# KiCad board cyclic.kicad_pcb (continued)
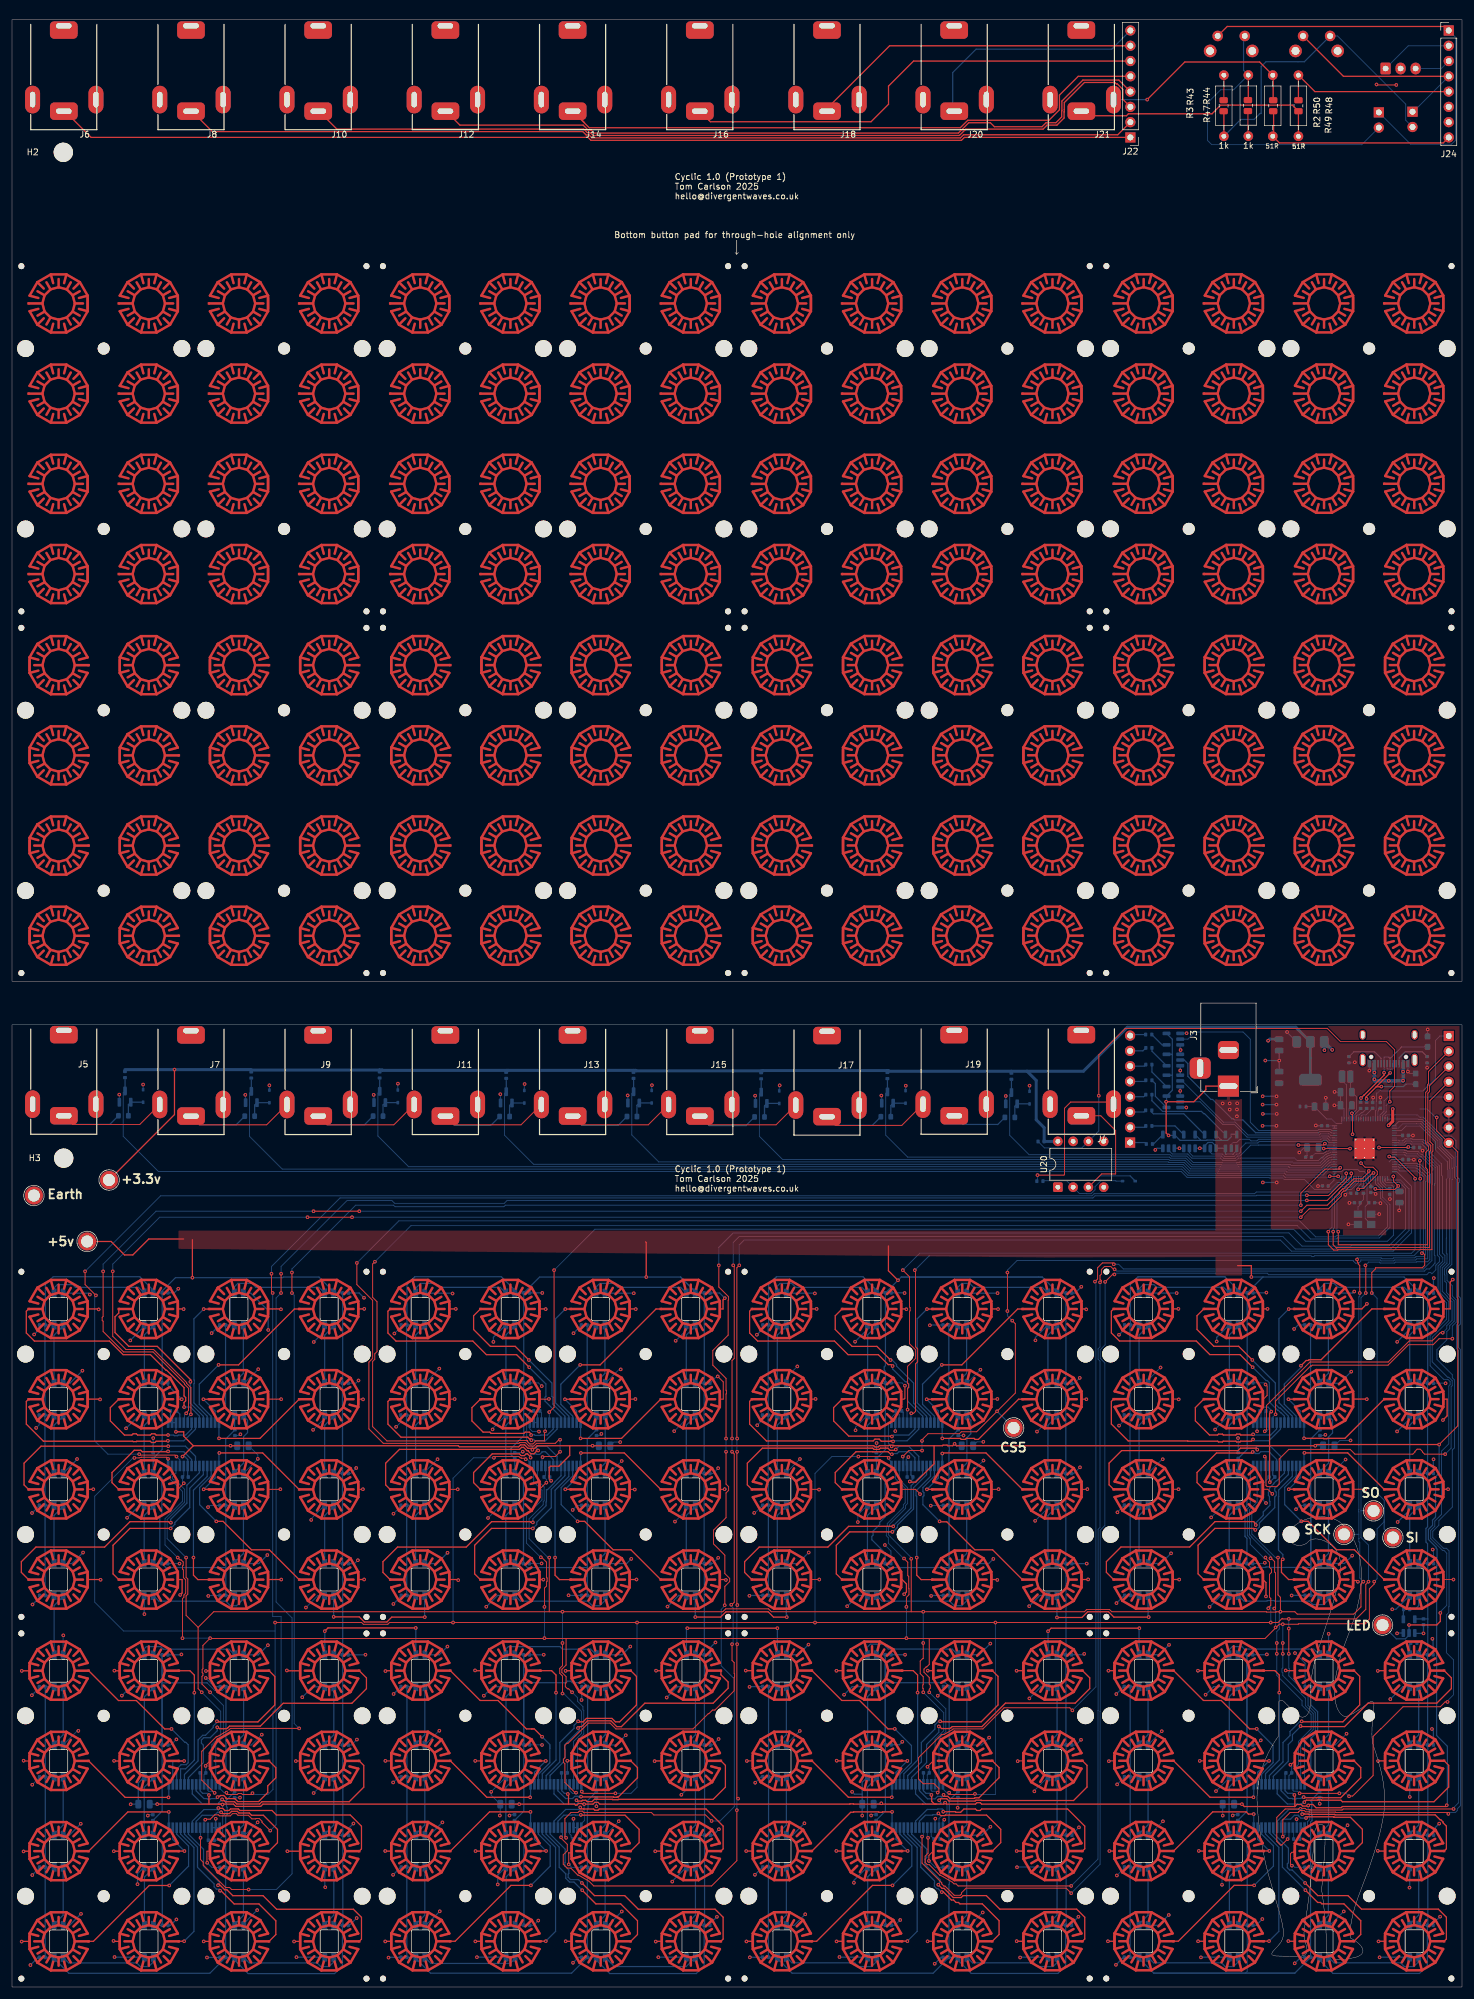
[diagram p0: board, top side]
## Routing (per net, layer and track width the routed paths; a pad name or vN(x,y) marks a point on that pad's centre or on a via; arc(x,y) is an arc through that point) (continued)
  Bottom w0.2: TP4.1 228.22,76.17 228.22,77.7
/GPIO20: length 267.6
  Top w0.15: v1(120.55,29.4) 120.55,21 116.35,16.8 96.75,16.8 95.96,17.59 94.24,18.59 94.12,18.59 92.94,19.76 92.33,19.76 91.68,20.42 91.68,21.98 92.35,22.65 92.35,23.72 91.31,24.76 v1(91.31,24.89) ; v1(120.75,31.32) 120.64,31.32 120.55,31.4 120.55,56.95 v1(120.6,57) ; v1(120.6,91.2) 120.55,91.25 120.55,119.6 v1(120.95,120) ; v1(120.6,89) 120.55,88.95 120.55,63.59 v1(120.63,63.51)
  Bottom w0.15: v1(120.75,31.32) 120.69,31.32 120.55,31.17 v1(120.55,29.4) ; v1(91.31,24.89) 91.31,24.9 91.45,24.9 91.55,25 91.55,26.38 ; v1(120.63,63.51) 120.63,63.49 120.55,63.41 120.55,57.05 v1(120.6,57) ; v1(120.6,89) 120.55,89.05 120.55,91.15 v1(120.6,91.2) ; v1(120.95,120) 120.95,123.4 121.75,124.2 210.95,124.2 212.8,122.35 229.7,122.35 232.75,125.4 232.75,133.15 230.3,135.6 U2.20
/GPIO21: length 245.9
  Top w0.15: v1(119.75,89) 120.12,88.63 120.12,63.97 119.72,63.57 v1(119.61,63.57) ; v1(119.75,91.2) 119.75,104.16 120.12,104.53 120.12,119.83 v1(119.95,120) ; v1(93.81,32.31) 93.76,32.36 93.59,32.36 91.95,34 91.95,37.13 91.72,37.35 91.72,37.87 91.95,38.09 91.95,40.18 92.29,40.52 92.47,40.52 94.86,42.91 94.89,42.91 95.86,43.88 99.46,43.88 100.43,42.91 113.26,42.91 115.8,45.45 115.9,45.45 116.5,46.05 116.9,46.05 120.1,49.25 120.1,51.47 120.17,51.54 120.17,52.06 120.1,52.13 120.1,53.95 119.75,54.3 v1(119.75,57)
  Bottom w0.15: v1(119.75,91.2) v1(119.75,89) ; v1(119.75,57) 119.93,57.18 119.93,63.02 119.57,63.38 119.57,63.52 v1(119.61,63.57) ; v1(93.81,32.31) 93.74,32.31 93.63,32.2 93.21,32.2 92.73,32.67 U5.11 ; v1(119.95,120) 119.95,123.8 120.95,124.8 211.35,124.8 213.44,122.71 229.26,122.71 232.35,125.8 232.35,132.69 231.53,133.51 231.53,133.61 230.91,134.22 230.86,134.17 229.03,134.17 U2.21
/GPIO22: length 263.4
  Top w0.15: v1(118.53,63.48) 118.55,63.5 118.55,66.62 119.35,67.42 119.35,67.94 118.55,68.74 118.55,71.8 116.66,73.69 116.66,75.95 118.75,78.04 118.75,82.15 119.19,82.59 119.19,83.19 118.75,83.62 v1(118.75,89) ; v1(117.55,120) 117.55,116.4 119.17,114.77 119.17,114.28 119.1,114.21 119.1,108.4 116.55,105.84 116.55,103.4 118.75,101.2 118.75,99.22 118.81,99.16 118.81,98.66 118.75,98.6 v1(118.75,91.2) ; v1(116.35,27.6) 115.35,28.6 106.75,28.6 106.35,29 95.1,29 94.86,29.24 94.35,29.24 94.11,29 92.95,29 91.95,28 91.95,25 v1(92.15,24.8)
  Bottom w0.15: v1(117.55,120) 117.55,123 119.95,125.4 212.35,125.4 214.55,123.2 222.65,123.2 222.71,123.26 229.01,123.26 231.75,126 231.75,132.78 231.17,133.36 231.17,133.46 230.82,133.82 230.51,133.82 230.46,133.77 228.56,133.77 228.37,133.96 228.37,134.03 228.35,134.05 U2.22 ; v1(118.75,91.2) v1(118.75,89) ; v1(116.35,27.6) 117.75,27.6 120.13,29.98 120.13,51.22 117.95,53.4 117.95,62.8 118.53,63.38 v1(118.53,63.48) ; U5.19 92.09,24.87 v1(92.15,24.8)
/GPIO23: length 180.1
  Top w0.15: v1(90.15,119.2) 90.15,96.4 v1(89.35,95.6)
  Bottom w0.15: U10.20 89.35,95.6 v1(89.35,95.6) ; v1(90.15,119.2) 96.95,126 213.15,126 215.15,124 228.75,124 229.75,125 229.75,133.07 229.5,133.32 228.51,133.32 228.02,133.82 228.02,133.93 227.95,133.99 U2.23
/GPIO24: length 243.5
  Top w0.15: v1(60.35,120.6) 59.98,120.23 59.98,114.67 60.7,113.95 60.7,105.65 60.33,105.28 60.33,104.38 59.98,104.03 59.98,93.17 62.35,90.8 84.21,90.8 84.28,90.87 85.75,90.87 85.75,90.81 85.75,90.81 85.75,90.73 85.75,90.73 85.75,90.67 86.12,90.3 86.64,90.3 87,90.67 87,90.8 88.55,90.8 88.55,92.3 v1(88.65,92.4)
  Bottom w0.15: U10.19 88.71,92.45 v1(88.65,92.4) ; v1(60.35,120.6) 66.35,126.6 213.75,126.6 215.96,124.39 220.24,124.39 220.4,124.55 227.4,124.55 229.15,126.3 229.15,130.12 227.93,131.34 227.93,132.9 227.15,133.68 U2.25
/GPIO25: length 254.2
  Top w0.15: v1(88.24,88.11) 88.24,88.18 88.26,88.2 90.35,88.2 v1(91.15,89) ; v1(91.15,91) 90.95,91 90.35,90.4 87.24,90.4 86.78,89.95 85.97,89.95 85.4,90.52 84.43,90.52 84.31,90.4 61.75,90.4 59.35,92.8 59.35,103.9 59.98,104.53 59.98,114.17 57.35,116.8 v1(57.35,120.4)
  Bottom w0.15: v1(91.15,91) v1(91.15,89) ; U2.26 226.75,133.58 227.58,132.76 227.58,131.19 228.75,130.02 228.75,126.4 227.26,124.91 220.26,124.91 220.09,124.74 216.81,124.74 214.15,127.4 64.35,127.4 v1(57.35,120.4) ; 88.15,86.74 88.15,88.09 88.17,88.11 v1(88.24,88.11)
/GPIO26: length 251.9
  Top w0.15: v1(56.55,128) v1(49.15,128) ; v1(214.35,128) 215.75,129.4 218.95,129.4 221.08,131.53 221.08,131.99 221.45,132.36 221.69,132.36 223.34,134 224.95,134 226.31,135.36 v1(226.44,135.36) ; v1(29.75,95.22) 29.75,99.67 29.05,100.37 29.05,100.5 23.55,106 18.95,106 16.75,108.2 v1(16.75,119)
  Bottom w0.15: v1(226.44,135.36) 226.35,135.27 U2.27 ; v1(16.75,119) 16.75,120.2 24.55,128 v1(49.15,128) ; v1(29.75,95.22) 29.22,94.68 U11.20 ; v1(214.35,128) v1(56.55,128)
/GPIO27: length 253.9
  Top w0.15: v1(15.15,119) 15.15,111.5 15,111.35 15,110.85 15.15,110.7 15.15,109 18.55,105.6 23.45,105.6 28.69,100.36 28.69,100.22 29.35,99.57 29.35,95.87 28.96,95.49 v1(28.96,95.39) ; v1(57.75,129) v1(50.15,129) ; v1(225.66,135.69) 225.51,135.55 225.51,135.36 224.55,134.4 223.15,134.4 221.46,132.71 221.3,132.71 220.73,132.14 220.73,131.98 218.75,130 215.35,130 v1(214.35,129)
  Bottom w0.15: v1(57.75,129) v1(214.35,129) ; v1(28.96,95.39) 28.69,95.11 28.69,93.96 ; v1(50.15,129) 23.95,129 15.15,120.2 v1(15.15,119) ; v1(225.66,135.69) 225.66,135.31 225.95,135.02 U2.28
/GPIO28: length 312.3
  Top w0.15: v1(31.35,24.8) 31.35,21.19 31.8,20.74 31.8,20.27 35.52,16.55 36.18,16.55 36.53,16.2 v1(39.35,16.2) ; v1(222.75,135.3) 222.75,134.8 218.75,130.8 v1(215.35,130.8) ; v1(44.75,118.6) v1(44.75,115.4)
  Bottom w0.15: v1(31.35,24.8) 31.35,26.42 ; v1(215.35,130.8) 82.35,130.8 81.86,130.31 63.64,130.31 63.15,130.8 55.75,130.8 44.75,119.8 v1(44.75,118.6) ; v1(39.35,16.2) 43.95,16.2 46.57,18.82 46.57,61.38 43.92,64.03 43.92,114.57 v1(44.75,115.4) ; v1(222.75,135.3) U2.36
/GPIO29: length 262.4
  Top w0.15: v1(12.15,119) 12.15,116.8 v1(13.95,115) ; v1(21.15,88.6) 21.31,88.44 27.11,88.44 v1(27.35,88.2)
  Bottom w0.15: v1(13.95,115) 13.75,114.8 13.75,90.8 15.95,88.6 v1(21.15,88.6) ; v1(12.15,119) 24.71,131.56 179.61,131.56 179.97,131.92 206.67,131.92 206.95,132.2 215.02,132.2 215.09,132.28 215.61,132.28 215.68,132.2 219.32,132.2 220.54,133.42 221.48,133.42 221.84,133.77 222.14,133.77 222.35,133.98 U2.37 ; v1(27.35,88.2) 27.91,87.63 U11.11
/GPIO30: length 296.7
  Top w0.15: v1(215.35,131.65) 215.4,131.6 218.95,131.6 221.9,134.55 v1(221.9,135.3) ; v1(32.14,27.82) 32.22,27.9 32.96,27.9 33.69,28.62 34.32,28.62 34.5,28.45 36.3,28.45 36.67,28.82 37.31,28.82 37.58,28.55 39.3,28.55 39.9,27.95 40.54,27.95 40.59,28 41.13,28 41.58,27.56 41.58,27.38 v1(42.95,26) ; v1(43.35,115.4) 43.15,115.6 v1(43.15,118.6)
  Bottom w0.15: v1(43.15,118.6) 43.15,119.8 54.56,131.21 179.76,131.21 180.12,131.56 206.91,131.56 207,131.65 v1(215.35,131.65) ; U2.38 221.95,135.25 v1(221.9,135.3) ; U4.19 31.93,27.61 v1(32.14,27.82) ; v1(43.35,115.4) 43.35,61.6 44.75,61.6 44.75,46.47 43.92,45.64 43.92,26.97 v1(42.95,26)
/GPIO33: length 288.3
  Top w0.15: v1(47.75,43) 36.33,43 36.1,42.77 34.08,41.6 33.96,41.6 31.55,39.19 31.55,34.4 33.67,32.28 v1(33.7,32.28) ; v1(46.55,118.8) v1(46.55,115.4) ; v1(214.35,130) 214.35,132 218.35,136 220.72,136 220.84,136.12 220.84,136.18 v1(220.9,136.23)
  Bottom w0.15: v1(47.75,43) 46.93,43.82 46.93,115.02 v1(46.55,115.4) ; v1(220.9,136.23) 220.67,136 U2.42 ; U4.11 32.58,32.66 32.71,32.53 33.42,32.53 33.67,32.28 v1(33.7,32.28) ; v1(214.35,130) 82.05,130 81.8,129.75 63.7,129.75 63.45,130 57.15,130 46.55,119.4 v1(46.55,118.8)
/LED_DIN_5V: length 1.7
  Bottom w0.2: U3.4 231.4,62.76 R9.2
/MIDI_OUT_BOT: length 30.3
  Top w0.2: R48.1 R49.2 216.68,315.18 J24.5
/QSPI_SS: length 24.1
  Bottom w0.15: J25.1 237.49,158.14 236.75,157.4 236.75,151.1 234.63,148.98 227.75,148.98 227.6,149.13 227.12,148.65 226.95,148.65 226.95,147.39 226.89,147.33 226.89,145.8 226.75,145.66 U2.75
/QSPI_SS_BOT: length 72.4
  Top w0.2: 238.28,326.01 202.11,326.01 SW2.2
  Bottom w0.15: J24.1 240.08,324.21 240.08,307.09 239.42,306.43 232.61,306.43 J27.1
/RUN: length 61
  Top w0.15: J25.4 235.83,147.4 235.83,140.58 236.31,140.09 236.31,138.99 236.15,138.83 236.15,122.6 234.9,122.6 234.85,122.65 234.33,122.65 234.28,122.6 220.55,122.6 220.49,122.54 219.81,122.54 218.92,123.43 v1(218.92,125.6)
  Bottom w0.15: v1(218.92,125.6) 219.1,125.42 219.1,125.93 219.55,126.38 219.55,131.6 220.49,132.54 220.49,132.55 221,133.06 221.63,133.06 221.97,133.4 222.57,133.4 223.15,133.98 U2.35
/RUN_BOT: length 35.5
  Top w0.2: SW1.2 221.44,317.72 J24.4
  Bottom w0.15: J24.4 233.06,311.83 J26.1
/SWCLK: length 62.6
  Top w0.15: J25.2 235.58,152.23 235.58,150.18 235.4,150.01 235.4,149.05 235.12,148.77 235.12,140.29 235.61,139.8 235.61,139.28 235.12,138.8 235.12,136.23 235.4,135.95 235.4,123.43 220.58,123.43 v1(220.58,125.6)
  Bottom w0.15: 220.35,125.8 220.38,125.8 v1(220.58,125.6) 220.35,125.83 220.35,131.2 221.51,132.36 221.92,132.36 222.16,132.6 222.77,132.6 223.95,133.78 U2.33
/SWCLK_BOT: length 12.1
  Bottom w0.15: J24.2 232.22,322.8 J2.1
/SWD: length 61.4
  Top w0.15: J25.3 235.75,149.86 235.75,148.9 235.47,148.62 235.47,140.44 235.96,139.95 235.96,139.14 235.75,138.93 235.75,122.95 235.05,122.95 235,123 234.19,123 234.14,122.95 220.4,122.95 220.34,122.89 220.26,122.89 219.72,123.42 v1(219.72,125.6)
  Bottom w0.15: v1(219.72,125.6) 219.72,126.06 219.95,126.28 219.95,131.4 221.26,132.71 221.78,132.71 222.07,133 222.67,133 223.55,133.88 U2.34
/SWD_BOT: length 6
  Bottom w0.15: J24.3 237.71,319.02 J2.3
/USB_D+: length 16.7
  Top w0.2: v1(227.74,149.72) 227.71,149.69 226.89,149.69 ; v1(225.29,147.68) 225.17,147.79 225.17,147.97 226.89,149.69 ; 226.89,149.69 v1(229.2,152)
  Bottom w0.15: 229.18,152.63 229.63,152.63 229.7,152.7 J1.B6 ; 229.18,152.63 228.77,152.63 228.7,152.7 J1.A6 ; 229.18,152.63 229.18,152.02 v1(229.2,152)
  Bottom w0.2: v1(227.74,149.72) 231.4,149.72 231.82,150.13 D1.2 ; R7.1 225.29,147.12 v1(225.29,147.68)
/USB_D-: length 18.1
  Top w0.2: v1(228.19,152.03) 228.19,151.63 224.86,148.29 224.83,148.29 v1(224.35,147.81)
  Bottom w0.2: 229.2,154.41 J1.A7 ; 229.2,154.41 231.11,156.32 D2.2 ; 229.2,154.41 228.99,154.62 228.2,154.62 J1.B7 228.2,152.04 v1(228.19,152.03) ; v1(224.35,147.81) 224.35,147.16 R8.1
/VREG_AVDD: length 7.8
  Bottom w0.15: U2.61 221.15,143.6 220.2,143.6 219.45,144.35 218.65,144.35 C7.1 R5.2
/VREG_LX: length 6.7
  Bottom w0.15: 221.2,150.74 221.95,149.99 U2.63
/XIN: length 8.5
  Bottom w0.15: Y1.1 225.07,127.78 225.07,129.8 C2.1 225.35,130.72 225.35,133.6 225.15,133.8 U2.30
/XOUT: length 1.4
  Bottom w0.15: U2.31 R6.1
Earth: length 1113.9
  Top w0.15: SW7.11 225.04,82.76 v1(225.06,82.78) ; SW7.1 239.72,67.76 v1(239.73,67.75) ; SW8.7 134.25,67.75 v1(134.26,67.76) ; SW6.11 197.55,37.6 v1(197.54,37.59) ; v1(167.26,37.55) 167.3,37.59 SW5.15 ; v1(77.04,37.6) 77.05,37.59 SW4.11 ; SW8.15 134.18,82.75 v1(134.22,82.71) ; 208.13,97.76 208.74,98.37 208.74,99.93 v1(208.48,100.19) ; SW8.11 164.05,82.75 v1(164.08,82.78) ; v1(92.59,20.39) 92.59,22.27 92.55,22.31 93.07,22.31 ; v1(194.04,97.71) 193.99,97.76 SW7.23 ; SW9.9 118.5,82.75 v1(118.53,82.78) ; SW3.13 32.2,36.86 v1(32.2,36.76) ; SW9.19 103.67,97.75 v1(103.68,97.76) ; SW5.13 152.26,36.65 v1(152.26,36.61) ; SW4.9 62.11,37.59 v1(62.1,37.6) ; v1(209.61,82) 208.85,82.76 SW7.13 ; v1(151.01,81.95) 151.01,82.02 150.28,82.75 SW8.13 ; SW10.17 58.34,97.75 v1(58.38,97.71) ; v1(178.85,82.78) 178.82,82.75 SW8.9 ; v1(58.36,82.77) 58.34,82.75 SW10.9 ; SW8.17 178.66,97.75 v1(178.68,97.73) ; SW6.21 213.16,22.6 213.16,22.4 212.86,22.4 212.62,22.16 212.62,20.41 v1(212.86,20.17) ; v1(1.93,37.63) 1.98,37.58 SW3.9 ; SW8.21 148.35,97.75 148.5,97.9 v1(148.5,99.99) ; v1(230.22,316.28) 227.02,316.28 ; v1(44.63,82.77) 44.61,82.75 SW10.11 ; SW10.19 44.75,97.75 v1(44.76,97.74) ; SW6.9 182.47,37.6 v1(182.42,37.55) ; v1(73.62,97.76) 73.61,97.75 SW9.23 ; SW8.23 133.61,97.75 v1(133.64,97.78) ; SW9.15 v1(74.13,82.75) ; v1(194.01,82.77) 194,82.76 SW7.15 ; SW3.21 32.42,22.58 32.42,20.69 v1(32.46,20.65) ; R2.2 205.55,307.84 ; v1(103.58,82.72) 103.55,82.75 SW9.11 ; SW8.19 163.85,97.75 v1(163.88,97.78) ; v1(92.35,37.61) 93.05,37.61 ; SW6.13 212.72,36.96 v1(212.61,36.96) ; SW9.13 88.83,83.86 v1(88.87,83.86) ; SW5.9 122.22,37.59 v1(122.21,37.58) ; R43.2 201.55,313.78 ; v1(117.37,101.53) 118.29,100.61 118.29,97.75 SW9.17 ; SW10.13 28.57,83.74 v1(28.57,83.76) ; 230.34,316.41 230.26,316.49 ; v1(89.29,97.78) 89.26,97.75 SW9.21 ; SW3.15 47.22,37.58 v1(47.2,37.56) ; v1(152.49,20.96) 152.49,21.88 SW5.21
  Top w0.2: v1(77.09,22.6) 77.1,22.59 SW4.19 ; SW10.25 58.57,112.75 v1(58.58,112.76) ; v1(225.32,97.74) 225.3,97.76 SW7.19 ; 238.05,97.75 238.68,97.75 238.68,94.97 v1(237.98,94.27) ; SW10.29 28.51,112.75 v1(28.54,112.72) ; v1(14.64,97.7) 14.59,97.75 SW10.23 ; SW3.11 16.99,37.58 v1(16.97,37.6) ; v1(163.99,112.72) 163.96,112.75 SW8.27 ; SW6.27 197.26,7.6 v1(197.26,7.6) ; SW5.17 122.11,22.59 v1(122.1,22.6) ; v1(118.73,67.68) 118.66,67.75 SW9.1 ; SW10.27 44.67,112.75 v1(44.73,112.69) ; SW9.3 103.85,67.75 v1(103.86,67.76) ; v1(1.92,22.54) 1.96,22.58 SW3.17 ; SW9.7 74.11,67.75 v1(74.21,67.65) ; v1(32.25,52.54) 32.29,52.58 SW3.5 ; SW7.5 208.55,67.25 v1(208.55,64.95) ; v1(137.15,37.63) 137.19,37.59 SW5.11 ; SW6.23 227.19,22.6 v1(227.15,22.64) ; v1(88.37,67.74) 88.36,67.75 SW9.5 ; SW9.27 103.71,112.75 v1(103.74,112.72) ; SW10.7 14.69,67.75 v1(14.73,67.71) ; SW4.15 106.9,37.59 v1(106.87,37.56) ; v1(13.52,82.76) 13.51,82.75 SW10.15 ; SW3.3 17.04,52.58 v1(17.02,52.6) ; v1(45.79,22.57) 45.8,22.58 SW3.23 ; SW4.31 107.1,7.59 v1(107.06,7.55) ; v1(137.1,22.62) 137.13,22.59 SW5.19 ; v1(88.76,112.72) 88.73,112.75 SW9.29 ; v1(163.87,67.69) 163.81,67.75 SW8.3 ; v1(178.66,112.68) 178.59,112.75 SW8.25 ; v1(16.88,7.66) 16.96,7.58 SW3.27 ; SW10.3 v1(44.77,67.75) ; v1(31.88,7.58) 31.88,7.58 SW3.29 ; v1(62.07,7.57) 62.09,7.59 SW4.25 ; SW3.25 1.63,7.58 v1(1.6,7.55) ; v1(148.74,112.7) 148.69,112.75 SW8.29 ; SW6.7 227.19,52.6 v1(227.15,52.56) ; SW10.1 58.55,67.75 v1(58.56,67.76) ; SW5.31 167.12,7.59 v1(167.09,7.62) ; SW6.1 182.36,52.6 v1(182.35,52.59) ; v1(137.13,7.58) 137.14,7.59 SW5.27 ; v1(182.5,22.61) 182.51,22.6 SW6.17 ; v1(77.01,52.64) 77.06,52.59 SW4.3 ; SW5.3 137.12,52.59 v1(137.11,52.58) ; SW3.1 1.64,52.58 v1(1.62,52.56) ; SW5.5 152.31,52.59 v1(152.3,52.6) ; SW7.25 239.19,112.76 239.19,117.21 v1(239.61,117.63) ; SW4.5 92.09,52.59 v1(92.07,52.57) ; SW4.27 77.07,7.59 v1(77.06,7.58) ; v1(182.27,7.6) 182.27,7.6 SW6.25 ; v1(62.07,22.61) 62.09,22.59 SW4.17 ; SW5.25 122.16,7.59 v1(122.14,7.57) ; v1(152.27,7.59) 152.27,7.59 SW5.29 ; v1(227.2,37.58) 227.22,37.6 SW6.15 ; SW9.25 118.25,112.75 118.25,114.24 v1(118.55,114.54) ; SW10.31 14.33,112.75 v1(14.41,112.67) ; SW4.29 92.09,7.59 v1(92.08,7.6) ; SW3.31 46.93,7.58 v1(46.91,7.56) ; SW3.19 16.94,22.58 v1(16.93,22.57) ; v1(27.96,65.19) 28.29,65.52 28.29,67.75 SW10.5 ; SW10.21 28.22,97.75 v1(28.23,97.74) ; v1(45.71,52.63) 45.76,52.58 SW3.7 ; v1(194.12,67.75) 194.11,67.76 SW7.7 ; SW8.31 v1(133.82,112.75) ; v1(227.27,7.58) 227.29,7.6 SW6.31 ; SW4.23 107,22.59 v1(106.97,22.56) ; v1(225.34,113.6) 224.5,112.76 SW7.27 ; SW4.1 62.17,52.59 v1(62.11,52.53) ; SW7.3 223.21,67.59 223.64,67.59 v1(223.84,67.39) ; SW6.29 212.3,7.6 v1(212.27,7.63) ; v1(197.38,22.62) 197.4,22.6 SW6.19 ; SW8.5 148.03,67.75 148.76,67.02 148.76,65.69 v1(148.38,65.31) ; SW7.9 238.83,82.76 v1(238.84,82.77) ; v1(167.09,22.61) 167.11,22.59 SW5.23 ; SW4.7 107.12,52.59 v1(107.11,52.6) ; SW7.29 v1(208.81,112.76) ; v1(211.83,52.64) 211.87,52.6 SW6.5 ; SW8.1 178.95,67.75 v1(178.97,67.77) ; SW7.31 v1(193.99,112.76) ; SW5.7 167.08,52.59 v1(167.07,52.58) ; SW5.1 122.05,52.59 v1(122.03,52.61) ; SW9.31 v1(73.81,112.75) ; SW6.3 197.25,52.6 v1(197.24,52.59)
  Bottom w0.15: C84.2 203.16,28.66 v1(203.02,28.52) ; C70.2 176.93,40.24 v1(177.79,41.1) ; v1(123.94,93.41) 124.81,94.28 C117.2 ; v1(191.38,87.76) 191.29,87.76 188.94,85.41 ; 172.31,34.94 170.03,32.67 v1(170.03,32.53) ; v1(63.39,34.01) 64.32,34.94 C49.2 ; C57.2 97.17,30.06 v1(97.19,30.05) ; 64.66,95.1 64.66,93.91 v1(63.88,93.14) ; C110.2 208.21,100.46 v1(208.48,100.19) ; v1(217.2,133.18) 217.22,133.2 C15.2 ; v1(191.22,42.53) 191.22,42.53 188.94,40.25 ; v1(199.43,78.08) 201.46,80.11 202.44,80.11 ; C52.2 116.52,40.24 v1(117.51,41.23) ; v1(28.57,83.76) 28.35,83.98 C149.2 28.56,85.01 U11.10 ; C133.2 94.01,80.07 v1(93.25,79.32) ; v1(88.1,99.91) 87.56,100.45 C146.2 ; C39.2 37.9,31.48 v1(37.91,31.49) ; v1(98.02,91.97) 97.74,91.69 C138.2 ; 189.12,25.25 v1(191.42,27.55) ; D136.2 85.21,150.1 v1(85.25,150.15) ; v1(82.73,28.51) 82.87,28.65 C48.2 ; v1(161.57,87.54) 159.43,85.4 158.78,85.4 ; U5.10 92.09,35.33 C41.2 v1(92.35,37.61) ; D2.1 235.42,159.2 v1(235.45,159.23) ; U9.16 146.91,92.44 v1(146.9,92.43) ; C151.2 32.89,80.07 v1(32.6,79.79) ; 82.16,34.94 79.69,32.47 v1(79.69,32.46) 79.69,31.91 C40.2 81.2,28.58 v1(81.13,28.51) ; U7.10 212.37,35.14 C77.2 212.83,36.74 v1(212.61,36.96) ; v1(225.74,152.38) 225.75,152.39 J1.A1 ; C3.2 222.45,130.4 v1(222.43,130.38) ; C148.2 40.88,88.47 v1(40.88,87.82) 40.88,87.79 38.49,85.4 ; C120.2 158.23,91.69 v1(158.25,91.71) ; v1(57.25,86.3) 56.35,85.4 55.93,85.4 ; C19.2 226.54,132.12 v1(226.79,131.87) ; C72.2 146.85,10.27 v1(147.72,11.14) ; v1(87.64,92.36) 86.56,92.36 86.1,92.81 U10.15 ; v1(100.91,27.57) 100.91,27.51 98.64,25.24 ; 112.14,95.1 112.14,94.43 v1(110.13,92.42) ; C79.2 206.95,40.27 v1(207.69,41.01) ; 82.12,80.1 81.28,80.1 v1(79.17,77.99) ; 185.01,34.9 v1(183.8,33.69) ; 185.01,19.8 v1(183.75,18.54) ; 176.27,25.36 v1(177.45,26.54) ; v1(221.79,87.71) 219.49,85.41 218.95,85.41 ; U6.10 152.22,35.27 C59.2 152.55,36.32 v1(152.26,36.61) ; v1(219.96,148.84) 220,148.8 C4.2 C1.2 ; Q5.2 102.43,148.22 v1(102.39,148.26) ; v1(32.2,36.76) 32.23,36.73 C23.2 31.93,35.3 U4.10 ; 158.81,40.24 161.28,40.24 v1(162.51,41.47) ; C54.2 86.75,10.26 v1(87.52,11.04) ; v1(183.85,78.93) 183.85,78.96 C106.2 ; v1(32.46,20.65) 33.23,19.88 C38.2 ; C76.2 201.35,28.52 v1(201.37,28.5) ; v1(148.65,149.87) 148.6,149.82 D139.2 ; C134.2 64.72,109.79 v1(63.59,108.66) ; C21.2 230.75,129.19 v1(230.7,129.14) ; C93.2 217.46,30.49 v1(217.49,30.46) ; v1(117.37,101.53) 117.2,101.53 C143.2 ; 202.45,34.77 v1(200.24,32.56) ; C104.2 236.42,72.59 v1(236.28,72.73) ; v1(213.64,27.91) 213.67,27.88 U7.17 ; 38.52,40.23 39.81,40.23 v1(41.54,41.96) ; v1(88.87,83.86) 88.87,84.4 C131.2 88.71,85.03 U10.10 ; v1(229.16,131.02) 229.15,131.03 C16.2 ; v1(11.03,42.59) 10.86,42.59 8.5,40.23 ; C141.2 88.05,70.4 v1(88.08,70.43) ; v1(233,141.59) 232.99,141.6 C20.2 ; v1(223.33,153.77) 223.25,153.69 R1.2 ; 52,80.1 49.76,77.86 v1(49.76,77.66) ; C2.2 227.53,130.4 v1(227.59,130.34) ; v1(50.16,32.25) 52.02,34.11 52.02,34.93 ; v1(212.86,20.17) 213.06,20.17 213.33,19.9 C92.2 ; v1(200.09,92.7) 200.09,92.73 202.47,95.11 ; D134.2 42.81,149.92 v1(42.8,149.93) ; 234.11,139.56 v1(234.6,139.07) ; Q7.2 144.65,148.16 v1(144.58,148.23) ; C34.2 56.45,40.23 v1(57.36,41.14) ; C125.2 176.7,100.4 v1(177.58,101.28) ; v1(201.24,16.99) 201.24,18.79 202.42,19.97 ; C102.2 218.31,91.7 v1(218.43,91.82) ; v1(203.9,91.28) 203.94,91.25 C111.2 ; 55.93,100.4 57.17,100.4 v1(57.62,100.85) ; 218.96,40.25 220.09,40.25 v1(221.95,42.11) ; C25.2 26.42,40.25 v1(27.34,41.17) ; v1(60.15,148.35) 60.2,148.3 Q3.2 ; D137.2 106.38,149.91 v1(106.43,149.96) ; 218.93,25.25 220.47,25.25 v1(222.12,26.9) ; Q2.2 38.85,148.3 v1(38.8,148.35) ; 209.07,84.7 208.12,83.75 208.12,80.91 v1(208.56,80.47) ; C30.2 22.72,28.64 v1(22.58,28.5) ; v1(110.26,77.39) 112.14,79.27 112.14,80.1 ; D133.2 21.81,150.05 v1(21.8,150.06) ; v1(117.45,86.27) 116.58,85.4 C139.2 ; v1(184.12,93.35) 184.97,94.2 C99.2 ; 25.89,70.4 v1(27.85,70.4) ; v1(127.67,149.93) 127.6,149.86 D138.2 ; C1.2 219.93,146.6 v1(219.92,146.61) ; C1.2 221.55,146 U2.62 ; v1(64.18,150.21) 64.16,150.19 D135.2 ; C43.2 88.13,40.26 v1(88.15,40.24) ; C123.2 146.18,72.48 v1(145.17,73.49) ; v1(101.15,90.61) 100.11,90.61 C130.2 ; C87.2 215.05,53.84 v1(213.37,55.52) ; C94.2 220.84,90.89 v1(222.62,90.89) ; C56.2 93.09,19.89 v1(92.59,20.39) ; 98.66,100.38 100.98,102.7 v1(101.24,102.7) ; J1.A1 232.15,152.23 v1(232.16,152.22) 232.5,151.88 D1.1 ; v1(161.54,90.65) 160.5,90.65 C112.2 ; C97.2 214.2,80.08 v1(213.55,79.44) ; v1(142.87,28.52) 143.01,28.65 C66.2 ; Q4.2 81.25,148.42 v1(81.21,148.46) ; Q6.2 123.65,148.15 v1(123.59,148.21) ; C74.2 153.56,19.89 v1(152.49,20.96) ; J25.7 J25.6 ; 172.29,79.64 v1(170.16,77.51) ; 38.6,100.38 v1(40.95,102.73) ; v1(8.53,58.47) 8.5,58.44 8.5,55.23 ; 148.71,86.79 148.71,87.75 v1(149.08,88.12) ; Y1.2 222.29,126.8 v1(222.27,126.82) ; v1(165.28,148.16) 165.27,148.15 Q8.2 ; v1(130.61,103.19) 128.77,101.35 128.77,100.4 ; v1(32.64,65.02) 32.72,65.1 C155.2 ; C121.2 176.61,85.4 v1(177.62,86.41) ; C105.2 208.23,70.41 v1(208.36,70.54) ; 52,94.57 v1(50.07,92.64) ; 128.79,40.34 v1(131.02,42.57) ; v1(143.79,90.45) 143.77,90.43 C129.2 ; 142.27,80.1 140.67,78.5 v1(140.67,77.31) ; U8.10 209.03,84.85 ; v1(221.75,131.73) 222.02,132 C10.2 ; C107.2 238.4,100.41 v1(238.43,100.38) ; 68.62,85.61 v1(70.77,87.76) ; v1(123.6,33.97) 124.57,34.94 C67.2 ; 4.57,34.84 v1(3.36,33.63) ; C153.2 4.52,93.47 v1(4.01,92.96) ; 158.81,10.24 159.29,10.24 v1(161.44,12.39) ; v1(233.15,137.57) 233.12,137.6 C18.2 ; C140.2 116.49,70.4 v1(117.45,71.36) ; v1(48.88,63.1) 50.88,65.1 52,65.1 ; 98.63,85.4 99.34,85.4 v1(101.4,87.46) ; C128.2 148.02,100.45 148.48,99.99 v1(148.5,99.99) ; v1(152.8,80.04) 152.83,80.07 C115.2 ; v1(71.07,42.61) 71.02,42.61 68.65,40.24 ; v1(140.29,92.57) 140.29,93.09 142.3,95.1 ; C124.2 123.57,78.84 v1(123.44,78.84) ; 82.15,95.1 79.93,92.88 v1(79.93,92.72) ; 38.7,25.23 v1(40.85,27.38) ; Q1.2 17.85,148.38 v1(17.84,148.39) ; 64.68,79.94 v1(63.44,78.7) ; v1(227.38,128.52) 227.36,128.5 Y1.4 ; U9.10 148.86,84.81 ; 172.29,95.1 172.29,94.18 v1(170.47,92.36) ; C147.2 84.78,88.85 v1(84.95,89.02) ; D140.2 v1(169.23,149.88) ; C156.2 37.76,91.69 v1(37.98,91.91) ; 158.81,100.39 v1(161.06,102.64) ; v1(157.27,29.8) 157.31,29.84 C75.2 ; R4.2 v1(235.35,152.86) ; v1(153.97,48.43) 154.9,49.36 C69.2 ; 188.94,100.93 v1(191.02,103.01) ; 68.64,100.4 v1(71.07,102.83) ; 128.77,85.52 v1(131.04,87.79)
  Bottom w0.2: 52,110.1 52,109.07 v1(50.18,107.25) ; 52.02,49.92 50.01,49.92 v1(48.27,48.18) ; 202.42,49.94 199.85,49.94 v1(198.51,48.6) ; U18.1 U19.3 ; C11.2 226.3,147.83 v1(226.37,147.9) ; 142.3,34.94 141.4,34.05 141.4,32.06 ; 142.32,4.96 137.64,4.96 v1(137.62,4.98) ; 52.02,19.93 52.02,16.66 v1(52.1,16.58) ; v1(140.21,107.3) 142.27,109.36 142.27,110.1 ; v1(230.37,107.28) 232.46,109.37 232.46,110.11 ; 202.47,4.97 197.79,4.97 v1(197.74,4.92) ; 172.31,19.94 167.17,19.94 v1(167.14,19.91) ; v1(109.02,63.25) 110.87,65.1 112.14,65.1 ; 98.67,55.24 101.46,55.24 v1(102.83,56.61) ; v1(133.52,115.33) 133.47,115.38 128.77,115.38 ; U12.3 190.41,139.46 v1(190.15,139.2) ; v1(12.95,115.14) 12.71,115.38 8.48,115.38 ; 232.45,65.08 230.16,62.8 v1(229.55,62.8) ; 128.79,55.24 130.77,55.24 v1(132.46,56.93) ; v1(192.38,11.97) 190.66,10.25 188.94,10.25 ; C42.2 94.19,4.91 v1(93.3,4.03) ; U13.1 v1(197.55,139.46) U14.3 198.34,139.86 198.92,140.43 199.64,140.43 200.24,139.82 U14.1 U15.3 201.81,138.54 201.85,138.5 203.11,138.5 203.71,139.1 U15.1 ; v1(210.75,154.06) v1(208.44,154.06) ; v1(210.75,154.06) C5.2 ; v1(210.75,154.06) C9.2 ; C122.2 v1(178.74,70.4) ; C154.2 4.59,64.78 v1(3.41,63.6) ; v1(118.55,114.54) 117.69,115.4 C145.2 ; v1(169.17,63.32) 170.95,65.1 172.29,65.1 ; v1(236.15,42.9) 236.4,42.65 C88.2 ; v1(123.88,108.46) 124.87,109.45 C116.2 ; v1(192.43,56.89) 190.79,55.25 188.94,55.25 ; C96.2 208.59,115.44 v1(208.62,115.47) ; 232.46,34.95 232.46,31.61 v1(232.47,31.6) ; 218.93,115.39 222.98,115.39 v1(223.23,115.64) ; v1(17.05,4.98) 17.08,4.95 22.03,4.95 ; C7.2 v1(218.5,147.86) ; C12.2 227.55,147.88 v1(227.59,147.92) ; 184.87,4.95 v1(183.6,3.68) ; v1(57.32,11.46) 56.11,10.25 C26.2 ; v1(20.87,17.09) 20.87,18.84 21.98,19.95 ; v1(56.78,27.18) 55.98,26.38 C27.2 ; 82.12,110.1 80.06,108.04 v1(80.06,107.27) ; v1(23.48,91.28) 23.47,91.27 C165.2 ; v1(169.2,47.99) 171.14,49.93 172.31,49.93 ; 158.78,25.24 161.32,25.24 v1(162.72,26.64) ; v1(103.41,115.36) 103.39,115.38 98.61,115.38 ; 232.46,49.94 231.31,49.94 v1(229.23,47.86) ; v1(18.27,48.45) 19.74,49.92 21.98,49.92 ; U4.16 U4.15 ; U4.16 33.88,27.97 v1(33.88,27.97) ; U4.16 U4.17 ; v1(93.38,27.96) 93.39,27.95 U5.17 U5.16 ; 141.4,32.06 140.11,32.06 v1(139.72,32.45) ; 141.4,32.06 C58.2 v1(141.4,28.5) ; 38.52,55.23 40.95,55.23 v1(42.55,56.83) ; v1(152.65,110.04) 152.68,110.07 C126.2 ; v1(230.35,92.38) 232.46,94.49 232.46,95.11 ; v1(122.66,49.9) 122.7,49.94 C68.2 ; v1(230.35,58.8) 230.41,58.86 U3.3 ; U6.15 154.82,27.59 v1(155.05,27.82) ; v1(163.21,71.18) 162.44,70.41 158.81,70.41 ; v1(210.29,143.2) v1(207.98,143.2) ; 218.96,55.25 218.96,58.7 v1(218.98,58.72) ; v1(27.66,116.11) 26.97,115.42 C150.2 ; U16.1 v1(194.29,149) U17.3 ; C36.2 26.36,10.25 v1(27.34,11.23) ; v1(111.32,31.96) 112.17,32.81 112.17,34.94 ; C109.2 236.41,117.83 v1(236.46,117.88) ; v1(94.72,47.72) 94.76,47.76 C51.2 ; 38.52,70.41 41.04,70.41 v1(42.46,71.83) ; 38.47,115.38 39.7,115.38 42.61,112.47 v1(42.61,109.25) ; v1(107.49,4.95) 107.5,4.96 112.17,4.96 ; v1(152.86,65.03) 152.93,65.1 C119.2 ; 184.97,65.11 v1(183.69,63.83) ; C114.2 148.41,115.42 v1(148.44,115.39) ; v1(110.37,107.45) 112.14,109.22 112.14,110.1 ; v1(132.5,72.25) 130.66,70.41 128.77,70.41 ; 8.5,25.23 9.52,25.23 v1(11.43,27.14) ; v1(58.78,55.25) 58.76,55.23 C28.2 ; U6.17 153.52,27.95 v1(153.56,27.99) ; v1(214.09,138.76) 214.93,139.6 C8.2 215.4,138.25 C14.2 ; C82.2 236.35,57.78 v1(236.23,57.9) ; v1(11.47,12.16) 9.54,10.23 8.5,10.23 ; 22.01,34.93 21,33.92 C22.2 19.75,30.4 v1(19.73,30.38) ; v1(117.24,11.66) 116.07,10.49 C44.2 ; v1(28.17,55.3) 28.1,55.23 C29.2 ; C64.2 178.17,55.24 v1(178.32,55.39) ; v1(78.88,63.23) 80.75,65.1 82.12,65.1 ; 184.9,49.95 v1(183.66,48.71) ; v1(101.41,12.55) 99.1,10.24 98.67,10.24 ; 232.46,4.97 227.49,4.97 v1(227.45,4.93) ; C127.2 176.81,115.4 v1(177.84,116.43) ; 4.54,80.02 v1(3.33,78.81) ; v1(28.23,97.74) 25.93,100.04 25.93,100.45 ; C78.2 214.32,4.92 v1(213.33,3.93) ; v1(71.58,27.37) 69.45,25.24 68.65,25.24 ; 82.13,49.93 79.97,49.93 v1(78.47,48.43) ; 219.18,10.25 v1(221.49,12.56) ; v1(200.35,107.34) 200.35,108.02 202.44,110.11 ; U17.1 v1(194.29,152.4) U18.3 ; 112.17,19.94 109.81,17.58 v1(109.81,17.52) ; 64.73,64.99 v1(63.43,63.69) ; v1(102.99,71.19) 102.21,70.41 98.66,70.41 ; 4.57,19.81 v1(3.37,18.61) ; v1(18.97,92.9) 21.17,95.1 22.01,95.1 ; 158.76,115.38 163.91,115.38 v1(163.91,115.38) ; v1(47.31,4.96) 47.32,4.95 52.02,4.95 ; U13.3 v1(194.15,139.46) U12.1 ; 172.29,110.1 170.21,108.02 v1(170.21,107.53) ; C60.2 154.51,4.92 v1(153.45,3.86) ; C137.2 92.59,65.1 v1(92.56,65.13) ; C55.2 62.68,4.94 v1(62.62,4.88) ; C81.2 236.42,26.22 v1(237.36,27.16) ; U8.15 U8.16 207.08,92.41 v1(207.07,92.41) ; v1(167.66,4.9) 167.72,4.96 172.31,4.96 ; v1(3.68,108.5) 4.58,109.4 C152.2 ; 142.27,19.96 140.02,17.71 v1(140.02,17.33) ; C118.2 122.69,65.1 v1(122.64,65.05) ; v1(207.95,11.29) 206.93,10.27 C90.2 ; 232.46,80.11 232.46,79.33 v1(230.45,77.32) ; v1(57.52,70.96) 56.96,70.4 C158.2 ; v1(237.51,11.69) 236.36,10.54 C80.2 ; 142.27,65.1 140.69,65.1 v1(138.9,63.31) ; v1(3.06,3.64) 4.35,4.93 C37.2 ; v1(122.71,4.93) 122.72,4.94 C73.2 ; 232.46,19.95 232.46,16.56 v1(232.42,16.52) ; v1(212.06,158.8) 212.06,158.74 U1.1 ; 188.94,70.42 191.08,70.42 v1(192.77,72.11) ; 82.13,19.96 80.78,18.61 v1(80.78,17.05) ; v1(88.19,115.41) 88.17,115.42 C132.2 ; v1(222.73,102.32) 220.8,100.39 218.98,100.39 ; v1(88.43,55.25) 88.42,55.24 C47.2 ; 64.67,19.94 v1(63.38,18.65) ; 21.98,65.1 21.98,62.04 v1(22.02,62) ; v1(117.57,26.23) 116.58,25.24 C45.2 ; 94.69,110.02 v1(93.38,108.71) ; v1(32.22,51.38) 33.67,49.93 C33.2 ; v1(72.41,56.61) 71.04,55.24 68.65,55.24 ; 64.68,49.94 v1(63.46,48.72) ; C17.2 v1(234.75,58.8) 233.36,58.8 U3.1 ; 68.62,115.38 73.2,115.38 v1(73.27,115.31) ; C13.2 216.91,143.2 v1(216.85,143.26) ; v1(10.82,87.79) 10.82,87.74 8.48,85.4 ; 158.81,55.24 160.85,55.24 v1(162.71,57.1) ; v1(210.32,148.11) v1(208.01,148.11) ; 34.55,110.07 v1(33.2,108.73) ; v1(177.36,11.67) 176.21,10.52 C62.2 ; 68.8,10.24 v1(71.14,12.58) ; 124.84,19.94 v1(123.56,18.66) ; v1(58.54,114.6) 57.74,115.4 C163.2 ; C24.2 32.42,4.9 v1(32.42,4.9) ; 38.52,10.53 v1(40.77,12.78) ; v1(213.23,109.42) 213.9,110.08 C108.2 ; C65.2 148.51,55.24 v1(148.52,55.25) ; v1(210.34,145.18) v1(208.03,145.18) ; v1(222.89,71.72) 221.59,70.42 218.98,70.42 ; 188.94,115.39 193.7,115.39 v1(193.7,115.39) ; v1(199.17,63.2) 201.08,65.11 202.44,65.11 ; 8.48,100.4 9.63,100.4 v1(11.71,102.48) ; v1(19.14,78.03) 21.21,80.1 21.98,80.1 ; v1(208.7,55.3) 208.65,55.25 C83.2 ; 128.79,25.24 129.81,25.24 v1(131.79,27.22) ; C98.2 185.04,109.38 v1(184.11,108.45) ; v1(131.92,12.09) 130.07,10.24 128.79,10.24 ; 4.54,49.75 v1(3.3,48.51) ; v1(236.42,87.75) 236.39,87.72 C103.2 ; 142.27,49.93 139.72,49.93 v1(138.39,48.6) ; v1(102.08,41.86) 100.46,40.24 98.67,40.24 ; v1(11.81,72.24) 9.98,70.41 8.48,70.41 ; v1(116.99,57.3) 116.06,56.37 C46.2 ; C61.2 147.57,40.27 v1(148.07,40.77) ; v1(210.3,146.73) v1(208,146.73) ; v1(212.82,65.1) 212.83,65.11 C101.2 ; U16.3 v1(195.3,146.25) ; v1(108.88,48.13) 110.68,49.93 112.17,49.93 ; 21.98,109.83 v1(19.67,107.52) ; 82.18,4.96 77.33,4.96 v1(77.32,4.95) ; v1(210.34,133.78) v1(208.03,133.78) ; v1(195.35,158.6) 195.31,158.56 U19.1 ; 68.62,70.41 70.64,70.41 v1(72.43,72.2)
  vias: v1(194.35,155.8) v1(226.94,316.36)
